# Allegro board MB1045.brd (continued)
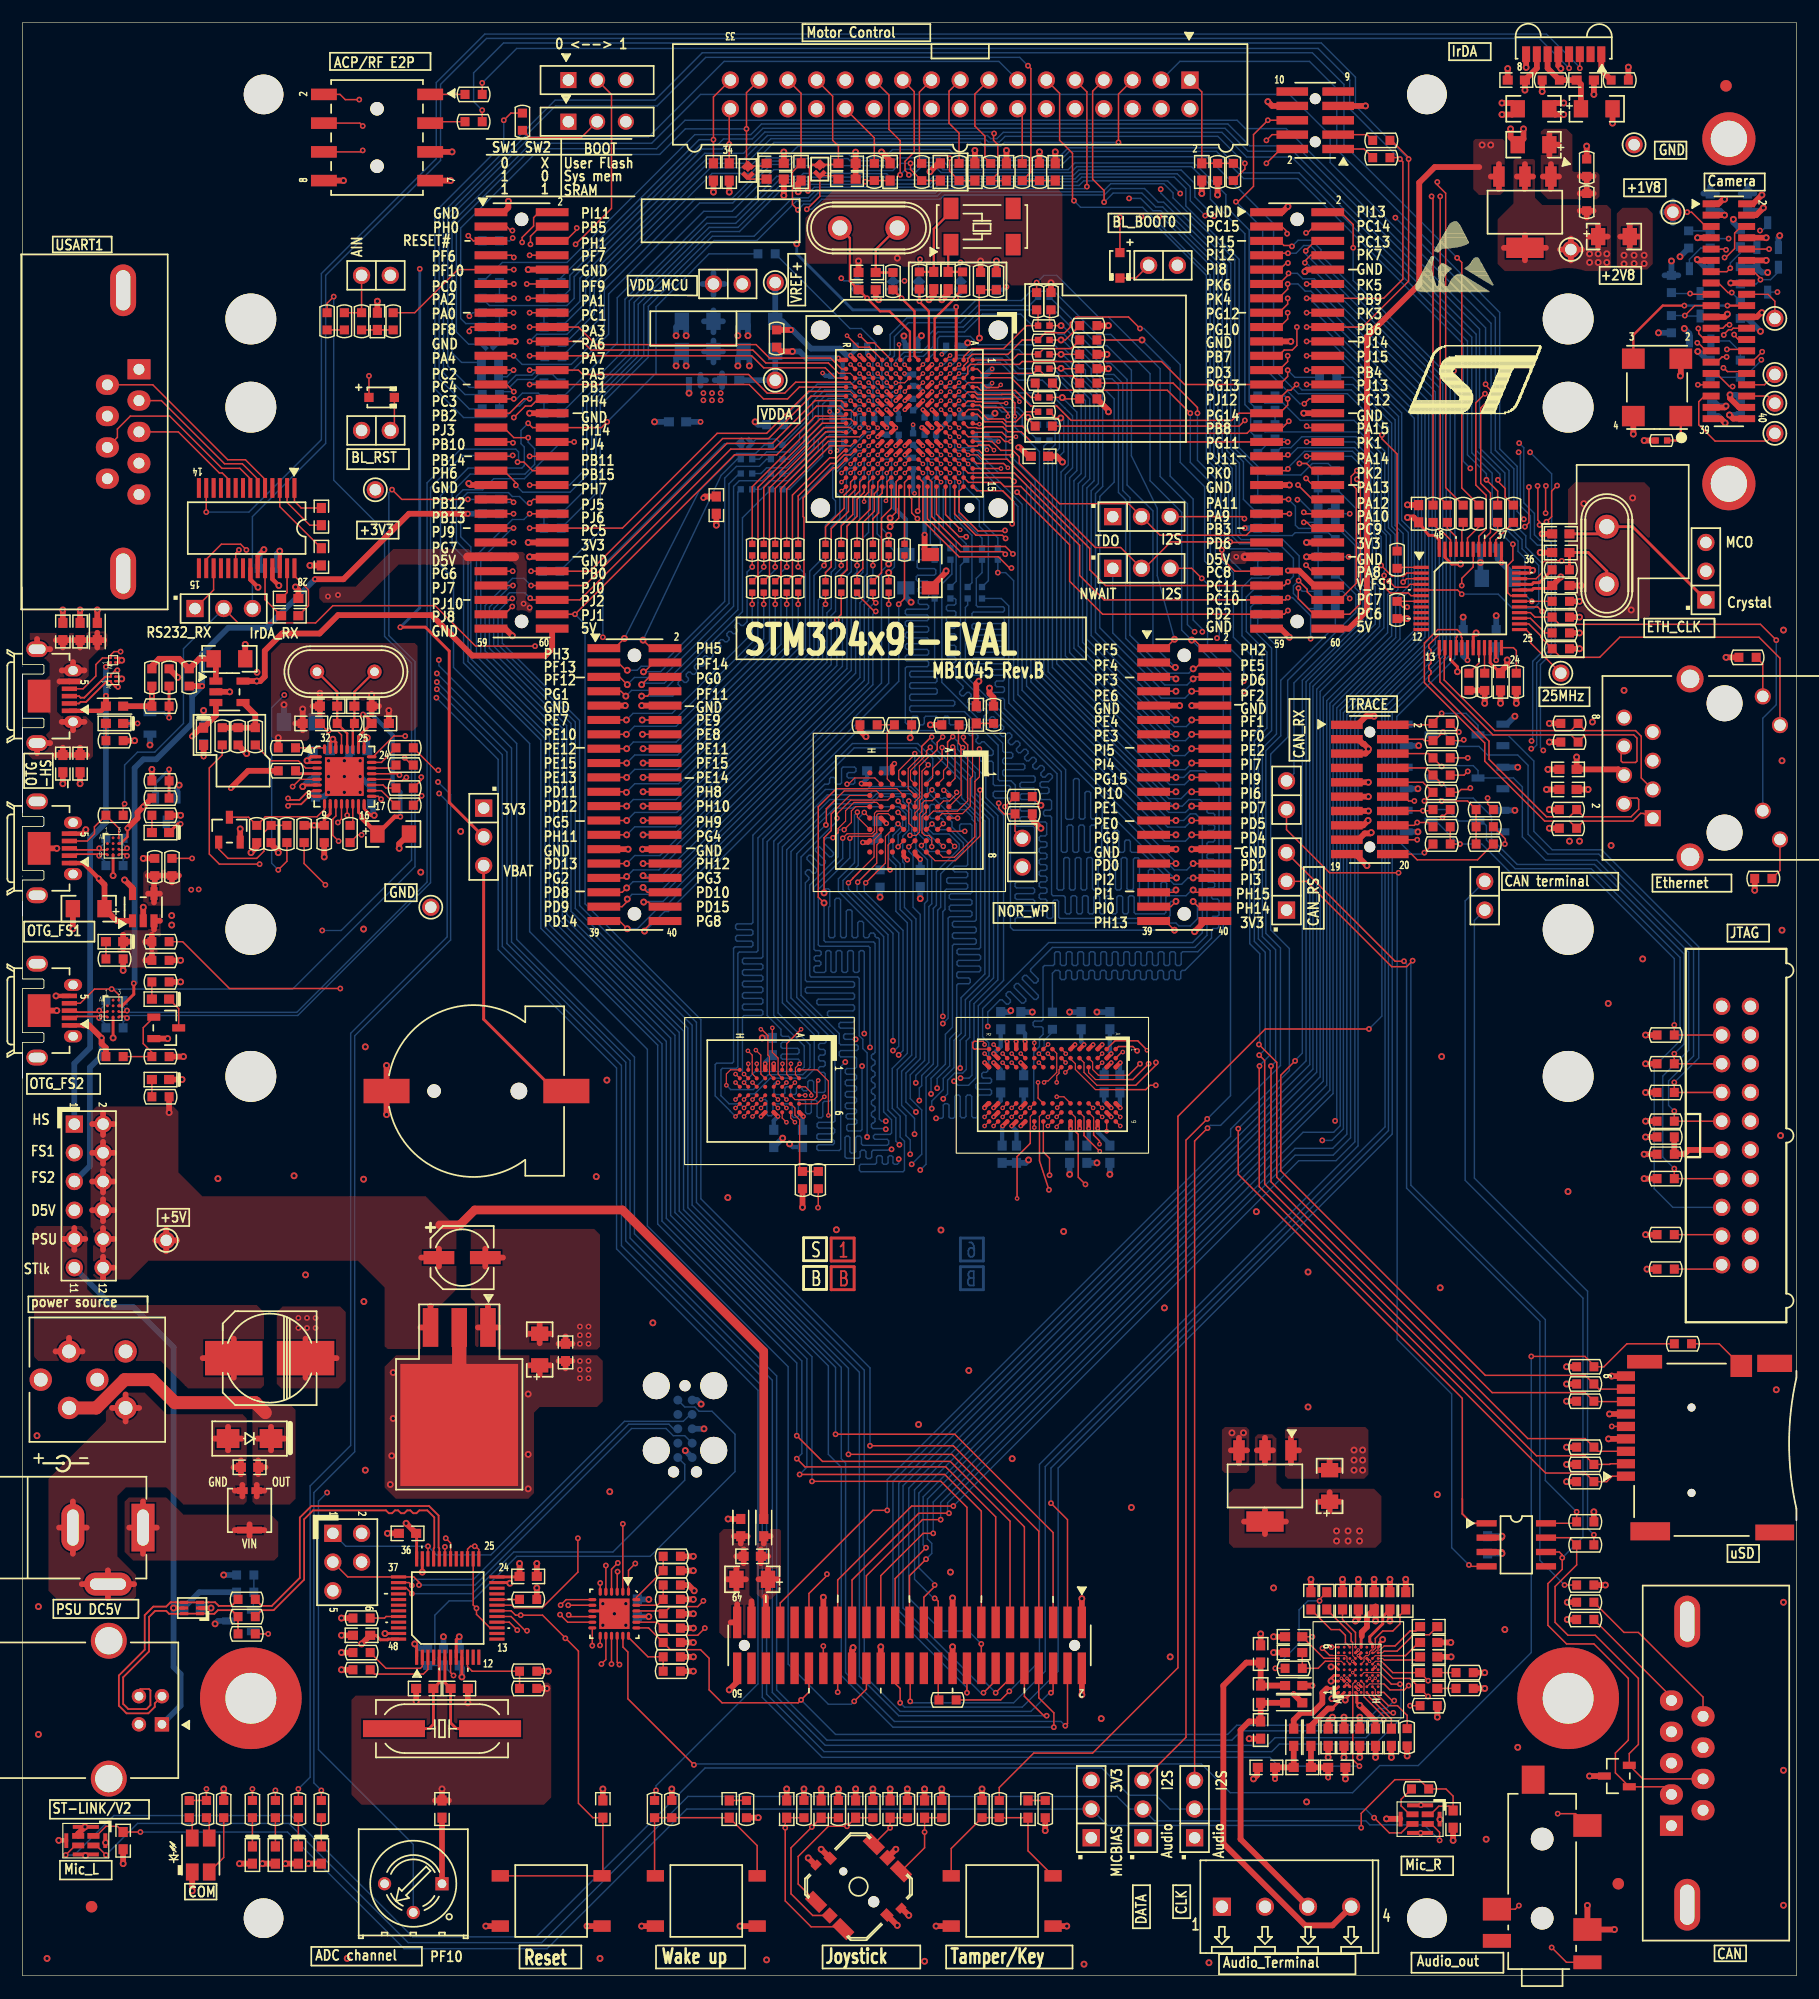
[diagram p0: board, top side]
## Routing (per net, layer and track width the routed paths; a pad name or vN(x,y) marks a point on that pad's centre or on a via; arc(x,y) is an arc through that point) (continued)
NETCN20_43: length 116.7
  TOP w0.127: v1(76.45,41.15) 75.18,41.15 66.99,32.96 CN20.43
  BOTTOM w0.127: v1(76.45,41.15) 76.45,43.87 106.82,74.23 106.82,74.86 112.01,80.05 112.01,90.83 110.36,92.48 110.36,108.03 111.86,109.52 111.86,114.55 117.89,120.59 117.89,122.14 R283.2
NETCN21_2: length 23
  TOP w0.155: CN21.2 11.68,24.08 11.68,23.77 11.12,23.2 9.19,23.2 8.51,23.88 8.51,26.54 10.8,28.83 10.8,31.88 11.56,32.64 12.7,32.64 13.07,33.01 13.13,33.01 13.14,33.02 13.56,33.02 13.57,33.01 D8.4 D8.3 16.44,33.01 16.45,33.02 17.02,33.02 17.34,32.7 18.48,32.7 R163.2
NETCN21_3: length 24.4
  TOP w0.155: R172.2 R168.2 18.48,32.32 17.27,32.32 16.95,32 16.45,32 16.44,32.01 D8.1 D8.6 14.28,32 13.56,32 13.56,32 12.95,32 12.7,32.26 11.71,32.26 11.18,31.72 11.18,28.67 8.89,26.39 8.89,24.03 9.35,23.58 10.96,23.58 11.3,23.92 11.3,25.22 11.18,25.35 10.41,25.35 10.29,25.22 CN21.3
NETCN22_2: length 97.5
  TOP w0.127: CN22.2 145.12,16.7 D15.2 140.84,17.93 140.84,19.68 141.99,20.83 141.99,26.29 138.94,29.34 136.53,29.34 134.87,30.99 134.87,34.67 136.14,35.94 v1(136.14,36.96) 136.14,37.21 135.89,37.47 U14.6
  BOTTOM w0.127: JP11.2 127.56,95.05 127.56,70.33 137.97,59.92 137.97,38.79 v1(136.14,36.96)
NETCN22_5: length 10
  TOP w0.127: CN22.5 145.8,24.64 R170.2
NETCN22_7: length 35.1
  TOP w0.127: CN22.7 143.27,17.4 D15.1 142.07,19.64 142.88,20.45 142.88,26.29 139.06,30.1 136.65,30.1 135.51,31.24 135.51,34.42 137.41,36.32 R158.1 136.78,38.73 U14.7
NETCN22_9: length 14.8
  TOP w0.127: CN22.9 148.59,24.64 142.88,30.35 141.6,30.35 R166.2
NETD1_1: length 108.8
  TOP w0.127: D1.1 v1(97.03,155.52) ; v1(19.13,126.09) 18.84,125.8 U4.20
  L4_SIG w0.102: v1(97.03,155.52) 95.68,155.52 92.46,158.75 80.9,158.75 80.52,158.37 75.69,158.37 74.55,159.51 35.94,159.51 28.96,152.53 28.96,135.05 20.44,126.53 19.57,126.53 v1(19.13,126.09)
NETD1_2: length 3
  TOP w0.127: D1.2 98.44,150.13 JP1.1
NETD2_2: length 3.1
  TOP w0.127: D2.2 32.87,137.01 JP3.1
NETD5_C3: length 136
  TOP w0.155: v1(9.23,99.7) 9.09,99.56 8.56,99.56 D5.C3
  L4_SIG w0.102: v1(112.73,130.53) 113.61,130.53 115.06,129.08 115.06,123.6 112.88,121.41 111.02,121.41 109.88,120.27 99.82,120.27 97.68,118.13 59.42,118.13 57.68,119.86 50.77,119.86 46.48,115.57 46.48,113.28 38.68,105.49 38.68,103.53 33.14,97.98 25.46,97.98 23.23,100.22 10.75,100.22 10.08,99.54 9.39,99.54 v1(9.23,99.7)
  BOTTOM w0.127: R261.2 115.75,129.72 115.49,129.72 115.19,129.41 114.05,129.41 112.93,130.53 v1(112.73,130.53) ; R297.2 8.89,100.04 v1(9.23,99.7)
NETJP3_2: length 20.4
  TOP w0.127: U4.16 16.24,125.25 17.58,126.59 19.28,126.59 v1(19.79,126.09)
  L4_SIG w0.102: v1(19.79,126.09) 20.62,126.09 29.97,135.43 JP3.2
NETJP5_3: length 113.7
  TOP w0.127: v1(104.75,75.77) 102.87,73.89 102.87,21.08 JP14.3 ; v1(104.27,123.57) 103.38,124.46 JP5.3
  BOTTOM w0.127: v1(104.27,123.57) 104.78,123.06 104.78,117.35 106.81,115.32 106.81,77.83 v1(104.75,75.77)
NETJP6_2: length 24.7
  TOP w0.127: U5.34 133.83,123.54 134.39,124.1 134.39,124.92 134.59,125.12 v1(136.09,125.12)
  L4_SIG w0.102: v1(136.09,125.12) 136.63,124.59 136.63,119.84 136.96,119.51 141.96,119.51 146.66,124.21 JP6.2
NETJP6_3: length 37.1
  L4_SIG w0.102: v1(117.25,125.48) 118.64,126.87 122.53,126.87 123.88,128.22 131.52,128.22 133.15,129.84 136.4,129.84 137.92,131.37 144.22,131.37 JP6.3
  BOTTOM w0.127: R279.2 v1(117.25,125.48)
NETJP7_1: length 4.2
  TOP w0.127: U4.17 16.89,122.55 JP7.1
NETJP7_3: length 157
  TOP w0.127: U1.4 v1(136.75,168.69)
  BOTTOM w0.127: v1(136.75,168.69) 134.11,171.32 41.02,171.32 36.96,167.26 36.96,160.53 26.8,150.37 26.8,135.51 20.32,129.03 JP7.3
NETJP8_2: length 116.4
  TOP w0.254: U3.C1 82.55,143.03 v1(82.55,147.57) ; JP8.2 37.72,103.76 37.72,117.14 35.61,119.25 v1(33.4,119.25)
  L4_SIG w0.254: v1(35.12,150.94) 35.12,152.46 40.77,158.12 51.82,158.12 56.77,153.16 v4(68.45,153.16)
  BOTTOM w0.254: v1(33.4,119.25) 35.12,120.97 v1(35.12,150.94) ; v1(82.55,147.57) 82.3,147.32 73.41,147.32 68.45,152.27 v4(68.45,153.16)
NETJP9_2: length 10.9
  TOP w0.102: U8.B4 81.43,103.89 81.96,103.89 82.59,104.51 v5(82.59,104.65)
  TOP w0.127: JP9.2 87.76,101.22 R116.1 86.79,102.74 86.31,103.23 v1(86.31,103.68)
  L4_SIG w0.102: v5(82.59,104.65) 83.55,103.68 v1(86.31,103.68)
NETJP10_2: length 73
  TOP w0.127: v1(122.91,89.76) 122.38,89.23 121.06,89.23 113.51,96.77 JP10.2 ; U14.8 137.29,40.01 R157.1 v1(137.41,41.02)
  BOTTOM w0.127: v1(137.41,41.02) 134.65,43.79 134.65,58.01 122.76,69.9 122.76,89.61 v1(122.91,89.76)
NETJP10_3: length 76.5
  TOP w0.127: v1(122.15,89.71) 121.36,89.71 JP10.3 ; R162.1 v1(136.35,34.54)
  BOTTOM w0.127: v1(136.35,34.54) 134.16,36.73 134.16,57.86 122.38,69.65 122.38,89.48 v1(122.15,89.71)
NETJP11_1: length 60.9
  TOP w0.127: R158.2 v1(138.94,38.99)
  BOTTOM w0.127: JP11.1 128.37,93.32 128.37,70.54 138.38,60.53 138.38,39.55 v1(138.94,38.99)
NETJP14_1: length 31.8
  TOP w0.127: U17.A9 v1(115.73,29.05)
  L4_SIG w0.102: JP14.1 99.82,12.19 100.97,13.34 105.66,13.34 107.19,14.86 107.19,27.28 108.99,29.08 114.2,29.08 114.51,29.39 115.39,29.39 v1(115.73,29.05)
NETJP14_2: length 133.9
  TOP w0.127: v1(125.3,11.96) 125.3,12.67 124.55,13.42 U18.4 ; U19.4 6.52,11.51 v1(7.37,10.67)
  BOTTOM w0.127: v1(7.37,10.67) 10.16,13.46 23.55,13.46 34.09,2.92 45.9,2.92 58.83,15.85 96.77,15.85 97.89,14.73 JP14.2 100.1,13.69 118.77,13.69 119.13,13.34 123.93,13.34 v1(125.3,11.96)
NETJP15_1: length 29
  TOP w0.089: 115.82,28.32 115.84,28.3 116.98,28.3 117.11,28.18 117.11,27.8 117.36,27.55 U17.C6
  TOP w0.127: v1(114.94,28.96) 115.57,28.32 115.82,28.32
  L4_SIG w0.102: v1(114.94,28.96) 113.94,27.97 108.92,27.97 107.84,26.89 107.84,14.11 105.92,12.19 JP15.1
NETJP15_2: length 135.3
  TOP w0.127: v1(119.51,13.97) 120.85,12.62 121.89,12.62 122.69,13.42 U18.3 ; v1(3.81,10.67) 4.66,11.51 U19.3
  BOTTOM w0.127: v1(3.81,10.67) 4.57,10.67 8.06,14.16 23.76,14.16 34.49,3.43 45.41,3.43 60.34,18.36 95.43,18.36 97.84,15.95 100.23,15.95 101.45,14.73 JP15.2 118.75,14.73 v1(119.51,13.97)
NETJP15_3: length 110.4
  TOP w0.127: JP15.3 103.63,73.81 v1(104.78,74.96)
  BOTTOM w0.127: v1(104.78,74.96) 105.02,75.2 105.93,75.2 111.23,80.49 111.23,90.88 109.93,92.18 109.93,108.33 111.25,109.65 111.25,114.55 116.08,119.38 R45.2
NETJP16_2: length 78.8
  TOP w0.127: JP16.2 111.76,101.35 115.57,97.54 v1(121.67,97.54) ; U14.4 128.02,36.2 v1(127.89,36.32)
  BOTTOM w0.127: v1(127.89,36.32) 126.36,37.85 126.36,51.44 121.54,56.26 121.54,97.41 v1(121.67,97.54)
NETL2_1: length 20.9
  TOP w0.508: R105.2 19.94,106.55 v1(18.41,105.03) ; R81.2 v1(11.43,113.16) R87.2 L2.1
  L4_SIG w0.508: v1(18.41,105.03) 17.14,105.03 11.43,110.74 v1(11.43,113.16)
NETL6_1: length 4.4
  TOP w0.229: U17.B3 116.61,26.3 v3(116.61,26.3)
  TOP w0.508: L6.1 v1(114.05,25.65)
  L4_SIG w0.381: v1(114.05,25.65) 115.06,26.67 116.24,26.67 v3(116.61,26.3)
NETL7_1: length 8.6
  TOP w0.229: U17.C3 v3(117.11,26.3)
  TOP w0.508: L7.1 v1(112.39,24.89)
  L4_SIG w0.381: v3(117.11,26.3) 117.11,26.77 115.95,27.93 115.05,27.93 112.39,25.27 v1(112.39,24.89)
NETL8_1: length 6.5
  TOP w0.229: 116.05,25.4 116.21,25.4 U17.A2
  TOP w0.254: 115.32,25.4 116.05,25.4
  TOP w0.508: 115.32,25.4 114.93,25.01 114.93,24.11 114.06,23.24 113.03,23.24 112.39,22.61 L8.1
NETL9_1: length 4.6
  TOP w0.229: 115.78,23.62 116.39,24.23 116.39,24.58 U17.B1
  TOP w0.508: L9.1 113.92,22.1 115.44,23.62 115.78,23.62
NETLD1_2: length 2.5
  TOP w0.127: LD1.2 R192.2
NETLD2_2: length 2.5
  TOP w0.127: LD2.2 R191.2
NETLD3_2: length 2.5
  TOP w0.127: LD3.2 R190.2
NETLD4_2: length 2.5
  TOP w0.127: LD4.2 R189.2
NETLD5_1: length 1.5
  TOP w0.127: LD5.1 R98.1
NETLD5_2: length 2.4
  TOP w0.254: LD5.2 v1(10.16,110.74)
  BOTTOM w0.254: T4.3 v1(10.16,110.74)
NETLD6_1: length 2.2
  TOP w0.508: LD6.1 v1(16,107.82)
  BOTTOM w0.508: v1(16,107.82) R296.1
NETLD6_2: length 22
  TOP w0.254: U7.10 27.2,102.76 26.67,102.23 R125.2
  TOP w0.508: R125.2 v1(25.78,101.73) R124.2 ; U6.3 17.09,111.45 LD6.2 15.75,110.36 v1(14.99,109.6)
  L4_SIG w0.508: v1(14.99,109.6) 15.49,109.6 22.5,102.59 24.79,102.59 25.65,101.73 v1(25.78,101.73)
NETLD7_1: length 1.5
  TOP w0.127: R118.1 LD7.1
NETLD7_2: length 2.7
  TOP w0.254: v1(13.97,101.85) 13.72,101.85 LD7.2
  BOTTOM w0.254: v1(13.97,101.85) 13.97,101.9 13.84,102.02 T5.3
NETLD8_1: length 1.5
  TOP w0.127: R133.1 LD8.1
NETLD8_2: length 6.2
  TOP w0.508: 10.83,91.44 R132.2 ; R132.2 11.43,92.05 ; R132.2 11.43,90.83 ; 11.62,92.51 U9.3 12.14,93.29 ; LD8.2 8.89,92.05 ; LD8.2 8.89,90.83 ; LD8.2 9.54,91.44 ; 11.43,90.4 R134.2 10.83,89.79
NETLD9_1: length 1.5
  TOP w0.127: LD9.1 R135.1
NETLD9_2: length 2.9
  TOP w0.127: LD9.2 13.8,85.51 T1.3
NETLD10_1: length 1.5
  TOP w0.127: LD10.1 R141.1
NETLD11_2: length 1.9
  TOP w0.127: LD11.2 15,13.7 R186.2
NETLD11_3: length 1.9
  TOP w0.127: LD11.3 16.5,13.73 R187.2
NETLD11_4: length 5.3
  TOP w0.127: LD11.4 17.78,10.45 R188.1
NETR2_2: length 2.6
  TOP w0.508: U1.1 139.6,168.51 R2.2
NETR5_1: length 7.4
  TOP w0.127: SW2.2 49.4,162.56 44.83,162.56 R5.1
NETR21_1: length 12.9
  TOP w0.127: v2(81.21,140.09) U3.E5 ; R22.1 R21.1 84.58,148.97 84.58,144.82 v4(84.61,144.82)
  L4_SIG w0.102: v4(84.61,144.82) 84.6,144.82 84.58,144.81 84.58,142.96 82.87,141.24 82.66,141.24 82.37,140.95 82.37,140.74 82.07,140.44 81.57,140.44 v2(81.21,140.09)
NETR23_2: length 9.5
  TOP w0.127: R23.2 89.79,147.19 R29.1 88.77,145.92 86.74,143.89 83.92,143.89 83.21,143.18 U3.B1
NETR25_1: length 1.5
  TOP w0.127: R25.1 R26.2
NETR25_2: length 155.7
  TOP w0.127: R25.2 26.92,147.9 v1(27.51,148.49)
  L4_SIG w0.102: v1(26.92,42.72) 27,42.8 27,91.92 v1(26.49,92.43)
  BOTTOM w0.127: RV1.2 34.54,11.61 26.16,19.99 26.16,41.96 v1(26.92,42.72) ; v1(26.49,92.43) 28.17,92.43 34.39,98.65 34.39,116.05 32,118.44 32,127.76 27.51,132.26 v1(27.51,148.49)
NETR32_1: length 81.3
  TOP w0.127: v1(98.81,145.67) 97.79,146.69 93.16,146.69 92.65,146.17 92.65,145.8 92.14,145.29 90.42,145.29 R32.1 88.39,144.65 87.12,143.38 83.95,143.38 83.58,143.01 83.58,142.73 83.21,142.37 U3.B2 ; R128.2 R120.1 R114.2 127.76,103.89 v1(125.48,103.89)
  L4_SIG w0.102: v1(105.61,118.29) 116.08,107.82 121.54,107.82 v1(125.48,103.89)
  BOTTOM w0.127: v1(98.81,145.67) 99.16,145.67 102.36,142.47 102.36,133.83 104.52,131.67 104.52,125.09 105.82,123.8 105.82,118.49 v1(105.61,118.29)
NETR33_2: length 10.2
  TOP w0.127: R33.2 92.71,143.89 90.3,143.89 R34.1 88.01,143.38 87.51,142.89 U3.A1
NETR36_1: length 10.3
  TOP w0.127: U3.A2 84.43,142.09 84.82,141.7 89.38,141.7 R36.1 90.42,141.48 92.84,141.48 R39.2
NETR38_2: length 7.9
  TOP w0.127: U3.A3 84.04,141.32 87.41,141.32 89.15,139.57 R40.1 89.79,140.59 R38.2
NETR42_1: length 7.6
  TOP w0.127: R42.1 88.7,138.3 88.41,138.01 88.41,138 87.82,137.41 87,137.41 86.74,137.67 85.34,137.67 84.51,138.51 83.63,138.51 U3.B7
NETR43_1: length 54.6
  TOP w0.127: R43.1 107.57,137.03 v1(108.08,137.54) ; v1(129.31,139.9) 128.5,139.09 128.5,131.83 129.41,130.91 129.41,127.94 128.77,127.29 U5.41
  L4_SIG w0.102: v1(129.31,139.9) 129.13,140.08 110.24,140.08 108.08,137.92 v1(108.08,137.54)
NETR43_2: length 10.6
  TOP w0.127: v4(88.9,137.81) 88.9,137.67 R43.2 ; v2(82.01,140.09) U3.D5
  BOTTOM w0.127: R244.2 89.53,137.16 88.9,137.79 v4(88.9,137.81) 88.77,137.94 88.77,137.96 88.07,138.67 86.76,138.67 86.22,139.2 83.43,139.2 82.93,139.7 82.4,139.7 v2(82.01,140.09)
NETR44_1: length 3.2
  TOP w0.203: X3.1 146.63,136.02 146.37,135.76 R44.1
NETR46_1: length 3.1
  TOP w0.127: U5.46 126.27,126.97 125.48,127.76 125.35,127.76 124.71,128.4 R46.1
NETR47_1: length 2.7
  TOP w0.127: R47.1 125.98,128.02 126.77,127.23 U5.45
NETR48_1: length 2.4
  TOP w0.127: U5.44 127.27,127.77 127.38,127.89 R48.1
NETR48_2: length 127.9
  TOP w0.127: R48.2 125.83,131.6 125.83,157.63 125.09,158.37 v1(125.09,158.62)
  L4_SIG w0.102: v1(102.36,157.61) 103.38,158.62 v1(125.09,158.62)
  BOTTOM w0.127: v1(102.36,157.61) 101.24,158.72 93.83,158.72 93.42,158.32 80.92,158.32 80.52,157.91 70.15,157.91 69.47,157.23 68.07,157.23 64.67,153.83 60.98,153.83 54.92,147.77 54.92,143.27 50.7,139.05 50.7,131.09 R267.1
NETR49_1: length 2.8
  TOP w0.127: U5.43 127.76,126.15 127.76,127.13 128.78,128.14 R49.1
NETR49_2: length 148.6
  TOP w0.127: v1(126.85,151.92) 127.25,151.51 127.25,131.57 R49.2
  BOTTOM w0.127: R239.1 39.5,138.56 36.83,141.22 36.83,155.61 47.09,165.86 55.91,165.86 60.1,170.05 114.05,170.05 116.84,167.26 116.84,161.93 v1(126.85,151.92)
NETR50_1: length 2.7
  TOP w0.127: R50.1 130.43,127.76 129.77,127.1 U5.39
NETR50_2: length 113
  TOP w0.127: R50.2 130.43,131.29 v1(129.44,132.28)
  BOTTOM w0.127: R227.2 47.7,143.21 51.05,146.56 51.05,149.48 60.96,159.38 64.39,159.38 65.76,160.76 67.51,160.76 68.55,161.8 82.14,161.8 83.16,160.78 91.59,160.78 92.46,161.65 105.74,161.65 107.95,159.44 112.88,159.44 127.76,144.55 127.76,134.49 129.44,132.82 v1(129.44,132.28)
NETR51_1: length 3
  TOP w0.127: R51.1 130.27,126.96 U5.38
NETR51_2: length 112
  TOP w0.127: v1(130.45,132.28) 130.45,132.16 131.09,131.52 131.09,130.78 R51.2
  BOTTOM w0.127: v1(130.45,132.28) 130.63,132.46 130.63,132.79 128.52,134.9 128.52,145.16 112.34,161.34 108.36,161.34 106.32,163.37 65.46,163.37 64.52,162.43 61.98,162.43 61.47,161.93 59.94,161.93 48.39,150.37 48.39,149.1 R214.2
NETR52_1: length 16.8
  TOP w0.127: R52.1 64.52,131.67 70.51,137.67 73.23,137.67 U3.P8
NETR53_1: length 15.4
  TOP w0.127: R53.1 65.53,131.59 70.85,136.91 71.79,136.91 71.8,136.92 73.18,136.92 U3.P9
NETR54_1: length 14.8
  TOP w0.127: U3.N9 74.01,136.09 71.11,136.09 66.55,131.53 R54.1
NETR55_1: length 12.6
  TOP w0.127: U3.P10 73.21,135.29 71.38,135.29 67.56,131.47 R55.1
NETR56_1: length 10.9
  TOP w0.127: R56.1 68.58,130.86 71.45,133.73 71.88,133.73 72.64,134.49 73.22,134.49 U3.P11
NETR57_2: length 7
  TOP w0.127: R57.2 70.99,128.12 72.64,129.77 72.64,130.94 73.21,131.5 73.21,132.09 U3.P14
NETR58_2: length 6.7
  TOP w0.127: R58.2 72.39,128.21 73.41,129.22 73.41,130.68 74.02,131.29 74.02,132.09 U3.N14
NETR59_2: length 5.7
  TOP w0.127: R59.2 73.79,128.52 74.93,129.67 74.93,130.71 75.06,130.84 75.06,131.44 75.21,131.6 U3.M15
NETR60_1: length 5.4
  TOP w0.127: R60.1 75.18,128.84 75.69,129.35 75.69,130.81 76.01,131.13 U3.L15
NETR61_1: length 7.3
  TOP w0.127: U3.K13 v2(76.41,132.89) ; R61.1 v4(76.58,127.38)
  BOTTOM w0.127: v4(76.58,127.38) 75.95,128.02 75.95,131.32 76.41,131.78 v2(76.41,132.89)
NETR62_1: length 6
  TOP w0.127: U3.H14 77.98,132.06 R62.1
NETR63_1: length 2.2
  TOP w0.127: R63.1 121.92,124.46 122,124.54 U5.1
NETR63_2: length 113.2
  TOP w0.127: R63.2 121.54,134.57 120.19,135.92 v1(120.19,136.25)
  BOTTOM w0.127: R238.1 52.58,144.4 52.58,148.39 60.22,156.03 62.74,156.03 66.42,159.72 68.05,159.72 68.4,160.07 76.63,160.07 77.32,160.76 81.1,160.76 81.76,160.1 91.85,160.1 92.61,160.86 104.7,160.86 110.62,154.94 110.62,142.09 112.8,139.9 117.14,139.9 120.19,136.86 v1(120.19,136.25)
NETR64_1: length 3.4
  TOP w0.254: U5.33 133.46,123.04 133.6,123.19 134.11,123.19 R64.1
NETR65_1: length 18.6
  TOP w0.127: U3.R8 70.69,137.29 65.02,131.62 65.02,123.83 R65.1
NETR66_1: length 17.3
  TOP w0.127: U3.R9 72.48,136.49 72.44,136.53 71,136.53 66.04,131.56 66.04,123.83 R66.1
NETR67_1: length 15.9
  TOP w0.127: R67.1 67.06,123.83 67.06,131.5 71.24,135.69 U3.R10
NETR68_1: length 14.2
  TOP w0.127: R68.1 68.07,123.83 68.07,130.94 71.37,134.24 72.01,134.24 72.66,134.89 U3.R11
NETR69_1: length 12.8
  TOP w0.127: R69.1 69.09,123.83 69.09,128.96 69.01,129.03 69.01,130.68 71.68,133.35 72.07,133.35 U3.R12
NETR70_2: length 9.5
  TOP w0.127: U3.P15 73.61,131.39 73.03,130.81 73.03,129.49 71.5,127.97 71.5,124.59 70.99,124.08 R70.2
NETR71_2: length 9.2
  TOP w0.127: U3.N15 74.41,131.19 73.79,130.57 73.79,129.07 72.9,128.18 72.9,124.33 72.39,123.83 R71.2
NETR72_1: length 10.1
  TOP w0.127: U3.L14 75.62,132.09 75.62,131.37 75.31,131.06 75.31,129.51 74.3,128.49 74.3,124.46 73.79,123.95 R72.1
NETR73_1: length 9.1
  TOP w0.127: R73.1 75.95,124.08 75.95,128.91 76.82,129.78 76.82,131.67 U3.K15
NETR74_1: length 12.2
  TOP w0.127: R74.1 v4(76.58,124.08) ; U3.L12 v2(75.61,133.69)
  BOTTOM w0.127: v2(75.61,133.69) 76.04,133.26 76.04,131.94 75.56,131.46 75.56,127.51 77.09,125.98 77.09,124.59 v4(76.58,124.08)
NETR75_1: length 130.4
  TOP w0.127: 133.45,121.54 U5.30 ; 133.45,121.54 135.12,121.54 135.13,121.54 R75.1 ; 133.45,121.54 v1(133.45,121.54)
  BOTTOM w0.127: R211.2 42.42,151.51 48.13,151.51 59.44,162.81 64.39,162.81 65.33,163.75 106.58,163.75 108.51,161.82 112.62,161.82 128.83,145.62 128.83,135.13 131.06,132.89 131.06,128.04 132.23,126.87 132.23,125.96 132.84,125.35 132.84,122.15 v1(133.45,121.54)
NETR76_2: length 134.9
  TOP w0.127: U16.2 v1(53.07,39.95) ; v1(122.43,121.03) 122.05,121.03 R76.2 121.54,121.54 U5.7
  L4_SIG w0.102: v1(122.43,121.03) 126.21,117.25 126.21,102.34 124.43,100.56 124.43,98.78 114.02,88.37 114.02,79.38 78.46,43.81 75.62,43.81 71.63,39.83 53.2,39.83 v1(53.07,39.95)
NETR78_1: length 3.4
  TOP w0.127: U5.27 133.32,120.04 134.62,118.75 R78.1
NETR82_2: length 4.7
  TOP w0.254: R82.2 R87.1 v1(12.95,111.25)
  BOTTOM w0.254: v1(12.95,111.25) 12.51,111.69 T4.2
NETR84_1: length 2.6
  TOP w0.127: U5.20 128.77,116.07 R84.1
NETR85_1: length 2.3
  TOP w0.127: U5.21 129.27,115.21 R85.1
NETR86_2: length 3.4
  TOP w0.127: R86.2 132.08,117.19 131.83,117.44 U5.24
NETR92_1: length 7.2
  TOP w0.102: 76.45,107.95 76.45,105.83 U8.F2
  TOP w0.127: R92.1 R93.1 76.45,109.98 76.45,107.95
NETR95_1: length 5.6
  TOP w0.508: U6.4 20.57,111.5 R97.2 R96.2 R95.1
NETR95_2: length 103.6
  TOP w0.127: v1(20.95,98.3) 17.4,98.3 16.51,99.19 16.51,106.81 17.65,107.95 R95.2 ; v1(47.52,31.93) 48.2,31.25 U16.11
  L4_SIG w0.102: v1(47.52,31.93) 46.18,31.93 45.52,32.59 41.94,32.59 38.66,35.86 38.66,39.7 37.41,40.94 30.48,40.94 27.61,43.81 27.61,93.55 22.73,98.42 21.08,98.42 v1(20.95,98.3)
NETR97_1: length 6.3
  TOP w0.127: R97.1 21.97,107.44 24.38,107.44 25.03,106.8 U7.3
NETR101_2: length 2.6
  TOP w0.127: R101.2 26.58,108.58 U7.32
NETR102_1: length 2.7
  TOP w0.127: U7.23 31.73,107.29 R102.1
NETR104_1: length 2.3
  TOP w0.127: U7.22 32.75,106.8 R104.1
NETR105_1: length 2
  TOP w0.254: U7.4 24.39,106.29 R105.1
NETR107_2: length 5.5
  TOP w0.254: R111.2 R107.2 v1(12.95,106.68)
  BOTTOM w0.254: v1(12.95,106.68) 11.75,105.48 T5.2
NETR108_1: length 2.3
  TOP w0.127: U7.19 31.87,105.29 32.13,105.03 R108.1
NETR110_1: length 61.7
  TOP w0.102: v2(63.79,76.73) U11.G5 ; v5(82.68,102.37) U8.A5
  TOP w0.127: v1(86.87,103.38) R110.1
  L4_SIG w0.102: v1(86.87,103.38) 86.48,102.99 83.31,102.99 82.68,102.37 v5(82.68,102.37)
  BOTTOM w0.127: v2(63.79,76.73) 63.42,77.1 62.47,77.1 61.75,77.83 61.75,80.11 61.87,80.24 63.12,80.24 63.25,80.37 63.25,90.4 63.37,90.53 64.89,90.53 65.02,90.65 65.02,100.61 73.38,108.97 79.15,108.97 80.48,107.63 80.48,106.14 80,105.66 80,104.7 82.34,102.37 v5(82.68,102.37)
NETR112_1: length 2.7
  TOP w0.127: R112.1 31.73,104.8 U7.18
NETR120_2: length 90.2
  TOP w0.089: 120.4,25.78 120.38,25.8 119.11,25.8 U17.F2
  TOP w0.127: v1(131.06,100.08) 131.11,100.13 131.11,100.53 R120.2 ; v1(122.56,25.65) 122.17,25.27 120.9,25.27 120.4,25.78
  L4_SIG w0.102: v1(131.06,100.08) 129.92,98.93 129.41,98.93 128.14,97.66 128.14,96.65 118.49,87 118.49,78.23 116.97,76.71 116.97,73.79 115.57,72.39 115.57,34.8 118.87,31.5 118.87,30.1 122.56,26.42 v1(122.56,25.65)
NETR122_2: length 9.2
  TOP w0.127: R123.1 R122.2 21.34,101.09 21.34,99.44 20.7,98.81 18.16,98.81 17.34,99.63 T7.2
NETR124_1: length 88.1
  TOP w0.127: v1(48.29,31.9) 48.43,31.75 U16.10 ; v1(26.77,96.47) 24.89,98.35 R124.1
  L4_SIG w0.102: v1(26.77,96.47) 26.77,96.42 28.8,94.39 28.8,43.97 30.99,41.78 38.3,41.78 39.47,40.61 39.47,36.75 42.49,33.73 48.16,33.73 48.77,33.12 48.77,32.38 v1(48.29,31.9)
NETR126_1: length 2
  TOP w0.127: R126.1 29.2,101.97 U7.14
NETR129_2: length 6.2
  TOP w0.508: R129.2 12.29,97.28 ; R129.2 11.07,97.28 ; R129.2 11.68,96.68 ; 13.21,96.68 R130.1 ; R130.1 12.6,97.28 ; R130.1 13.82,97.28 ; U9.4 12.14,95.69 ; U9.4 11.1,95.69 ; U9.4 11.62,96.46 ; U9.4 11.62,94.91
NETR130_2: length 95.6
  TOP w0.127: R130.2 v1(14.99,98.81) ; U16.8 v1(48.25,32.75)
  L4_SIG w0.102: v1(48.25,32.75) 48.25,32.75 47.57,33.43 42.37,33.43 39.17,36.63 39.17,40.32 37.98,41.5 30.89,41.5 28.52,43.87 28.52,93.27 22.99,98.81 v1(14.99,98.81)
NETR132_1: length 89.6
  TOP w0.127: v1(28.09,87.3) 18.29,87.3 14.15,91.44 R132.1 ; U16.7 48.06,33.25 v1(47.57,32.77)
  L4_SIG w0.102: v1(28.09,87.3) 28.09,43.84 30.71,41.22 37.82,41.22 38.94,40.11 38.94,36.3 42.14,33.1 47.24,33.1 v1(47.57,32.77)
NETR137_2: length 6.7
  TOP w0.127: T1.2 10.67,83.84 10.67,82.42 11.43,81.66 R138.2 R137.2
NETR146_1: length 7.8
  TOP w0.102: 68.71,73.66 68.71,75.69 68.29,76.11 68.29,76.73 U11.B5
  TOP w0.127: R147.1 R146.1 68.71,71.37 68.71,73.66
NETR150_1: length 134.4
  TOP w0.127: R150.1 141.86,55.88 139.83,53.85 R151.1 138.94,53.98 138.15,54.76 v1(133.4,54.76) ; U16.17 53.07,29.73 53.09,29.72 53.09,29.06 53.52,28.63 53.52,24.49 v1(59.36,18.64)
  BOTTOM w0.127: v1(59.36,18.64) 59.44,18.72 104.24,18.72 106.78,16.18 117.6,16.18 120,18.58 123.41,18.58 133.4,28.57 v1(133.4,54.76)
NETR159_2: length 4.8
  TOP w0.127: U16.24 54.27,33.45 R160.2 R159.2
NETR161_2: length 3.9
  TOP w0.127: U16.23 56.12,32.75 R165.2 R161.2
NETR164_1: length 2
  TOP w0.127: U15.20 43.93,33.26 R164.1
NETR169_2: length 2.6
  TOP w0.127: R169.2 32,31.62 32.14,31.76 U15.44
NETR172_1: length 2.5
  TOP w0.127: R172.1 v1(21.72,30.23)
  BOTTOM w0.127: v1(21.72,30.23) 20.6,30.23 T6.1
NETR174_2: length 6.1
  TOP w0.127: U15.2 35.34,27.34 35.18,27.18 32.13,27.18 R174.2
NETR175_2: length 5.2
  TOP w0.127: U16.18 53.57,29.92 55.3,28.19 R175.2 R179.2
NETR177_2: length 6.5
  TOP w0.127: R177.2 31.11,26.67 35.43,26.67 35.84,27.08 U15.3
NETR184_1: length 7.9
  TOP w0.089: U17.D4 117.86,26.55 v3(117.61,26.8) U17.D5
  TOP w0.127: R184.1 v1(122.69,23.88)
  L4_SIG w0.102: v3(117.61,26.8) 120.54,23.88 v1(122.69,23.88)
NETR185_2: length 5.5
  TOP w0.089: U17.G2 119.61,25.3 119.61,24.91 119.89,24.64 120.02,24.64
  TOP w0.127: R185.2 122.43,23.02 121.57,23.88 120.78,23.88 120.02,24.64
NETR193_2: length 150.3
  TOP w0.127: v1(56.01,16.38) 55.88,16.26 R193.2
  L4_SIG w0.102: v1(36.59,113.02) 37.08,113.51 37.08,115.39 35.86,116.61 35.86,143.12 v1(39.51,146.76)
  BOTTOM w0.127: v1(56.01,16.38) 56.01,16.79 65.02,25.81 65.02,51.77 52.52,64.27 52.52,80.27 42.05,90.74 42.05,107.56 v1(36.59,113.02) ; R219.2 39.81,147.07 v1(39.51,146.76)
NETR204_1: length 3.2
  TOP w0.127: U18.2 122.64,14.27 121.89,15.01 121.89,15.6 R204.1
NETR206_1: length 3.1
  BOTTOM w0.127: T2.2 147.39,151.78 148.39,152.78 R206.1
NETR206_2: length 183.5
  TOP w0.127: v1(52.61,35.73) 52.57,35.7 U16.3
  L4_SIG w0.102: v1(150.85,153.62) 151.59,152.88 151.59,149.01 152.93,147.67 152.93,134.85 153.9,133.88 153.9,123.67 149.38,119.15 143.59,119.15 137.05,112.62 135.25,112.62 128.78,106.14 128.78,104.65 128.02,103.89 128.02,99.82 126.62,98.42 126.62,97.79 116.64,87.81 116.64,78.63 75.6,37.59 54.47,37.59 v1(52.61,35.73)
  BOTTOM w0.127: v1(150.85,153.62) 149.99,153.62 149.3,154.31 R206.2 R207.1
NETR213_1: length 18.3
  TOP w0.127: v2(76.41,141.69) U3.K3
  BOTTOM w0.127: R213.1 89.03,147.7 84.45,147.7 82.93,146.18 78.33,146.18 77.09,144.94 77.09,143.26 76.81,142.98 76.81,142.09 v2(76.41,141.69)
NETR217_1: length 15.9
  TOP w0.127: v2(77.21,142.49) U3.J2
  BOTTOM w0.127: v2(77.21,142.49) 77.21,142.84 77.93,143.56 79.46,143.56 80.14,144.23 80.14,145.1 80.84,145.8 83.19,145.8 84.71,147.32 89.66,147.32 R217.1
NETR221_1: length 15.7
  TOP w0.127: U3.H2 78.36,142.09 v2(77.99,142.46)
  BOTTOM w0.127: R221.1 89.28,145.92 88.27,146.94 84.87,146.94 83.29,145.36 80.94,145.36 80.52,144.94 80.52,144.08 79.65,143.21 78.05,143.21 77.85,143 77.85,142.6 v2(77.99,142.46)
NETR222_1: length 122.1
  TOP w0.127: U5.31 131.58,122.04 131.32,122.3 131.32,124.71 131.78,125.17 v1(131.78,126.59)
  BOTTOM w0.127: v1(131.78,126.59) 131.72,126.64 131.65,126.64 129.95,128.35 129.95,132.87 128.14,134.67 128.14,144.91 112.22,160.83 108.23,160.83 106.05,163.02 86.72,163.02 86.16,162.46 85.6,162.46 85.32,162.74 65.86,162.74 63.78,160.66 60.45,160.66 49.78,149.99 49.78,147.96 R222.1
NETR224_1: length 12.9
  TOP w0.127: v2(79.61,142.49) U3.G2
  BOTTOM w0.127: R224.1 89.37,144.23 84.5,144.23 84.14,144.59 84.14,144.64 83.8,144.97 81.09,144.97 80.9,144.78 80.9,143.79 79.61,142.5 v2(79.61,142.49)
NETR226_1: length 9.9
  TOP w0.127: v2(81.21,142.49) U3.E2
  BOTTOM w0.127: R226.1 88.52,143.38 88.09,143.81 84.14,143.81 83.64,143.31 82.6,143.31 82.19,142.9 81.86,142.9 81.45,142.49 v2(81.21,142.49)
NETR228_1: length 158.6
  TOP w0.127: U5.5 126.88,122.54 v1(127.25,122.17)
  BOTTOM w0.127: R228.1 38.81,142.67 37.97,143.51 37.97,155.07 44.96,162.05 55.63,162.05 59.94,166.37 112.01,166.37 115.62,162.76 115.62,160.35 129.84,146.13 129.84,134.7 131.43,133.11 131.43,128.16 132.59,127 132.59,126.19 134.06,124.71 134.06,121.36 133.6,120.9 131.75,120.9 130.48,122.17 v1(127.25,122.17)
NETR229_1: length 3.7
  BOTTOM w0.127: R229.1 151.89,143.61 150.93,144.57 T3.2
NETR229_2: length 173.2
  TOP w0.127: v1(54.18,36.45) 53.57,35.84 U16.1
  L4_SIG w0.102: v1(153.75,142.9) 153.75,142.85 153.24,142.34 153.24,135.05 154.18,134.11 154.18,123.32 149.63,118.77 143.71,118.77 137.15,112.2 135.17,112.2 129.03,106.07 129.03,104.39 128.4,103.76 128.4,99.69 126.87,98.17 126.87,97.54 116.97,87.63 116.97,78.49 75.01,36.53 54.25,36.53 v1(54.18,36.45)
  BOTTOM w0.127: R230.1 R229.2 152.25,141.35 153.75,142.85 v1(153.75,142.9)
